# KiCad board Lotus58_Glow_125.kicad_pcb (continued)
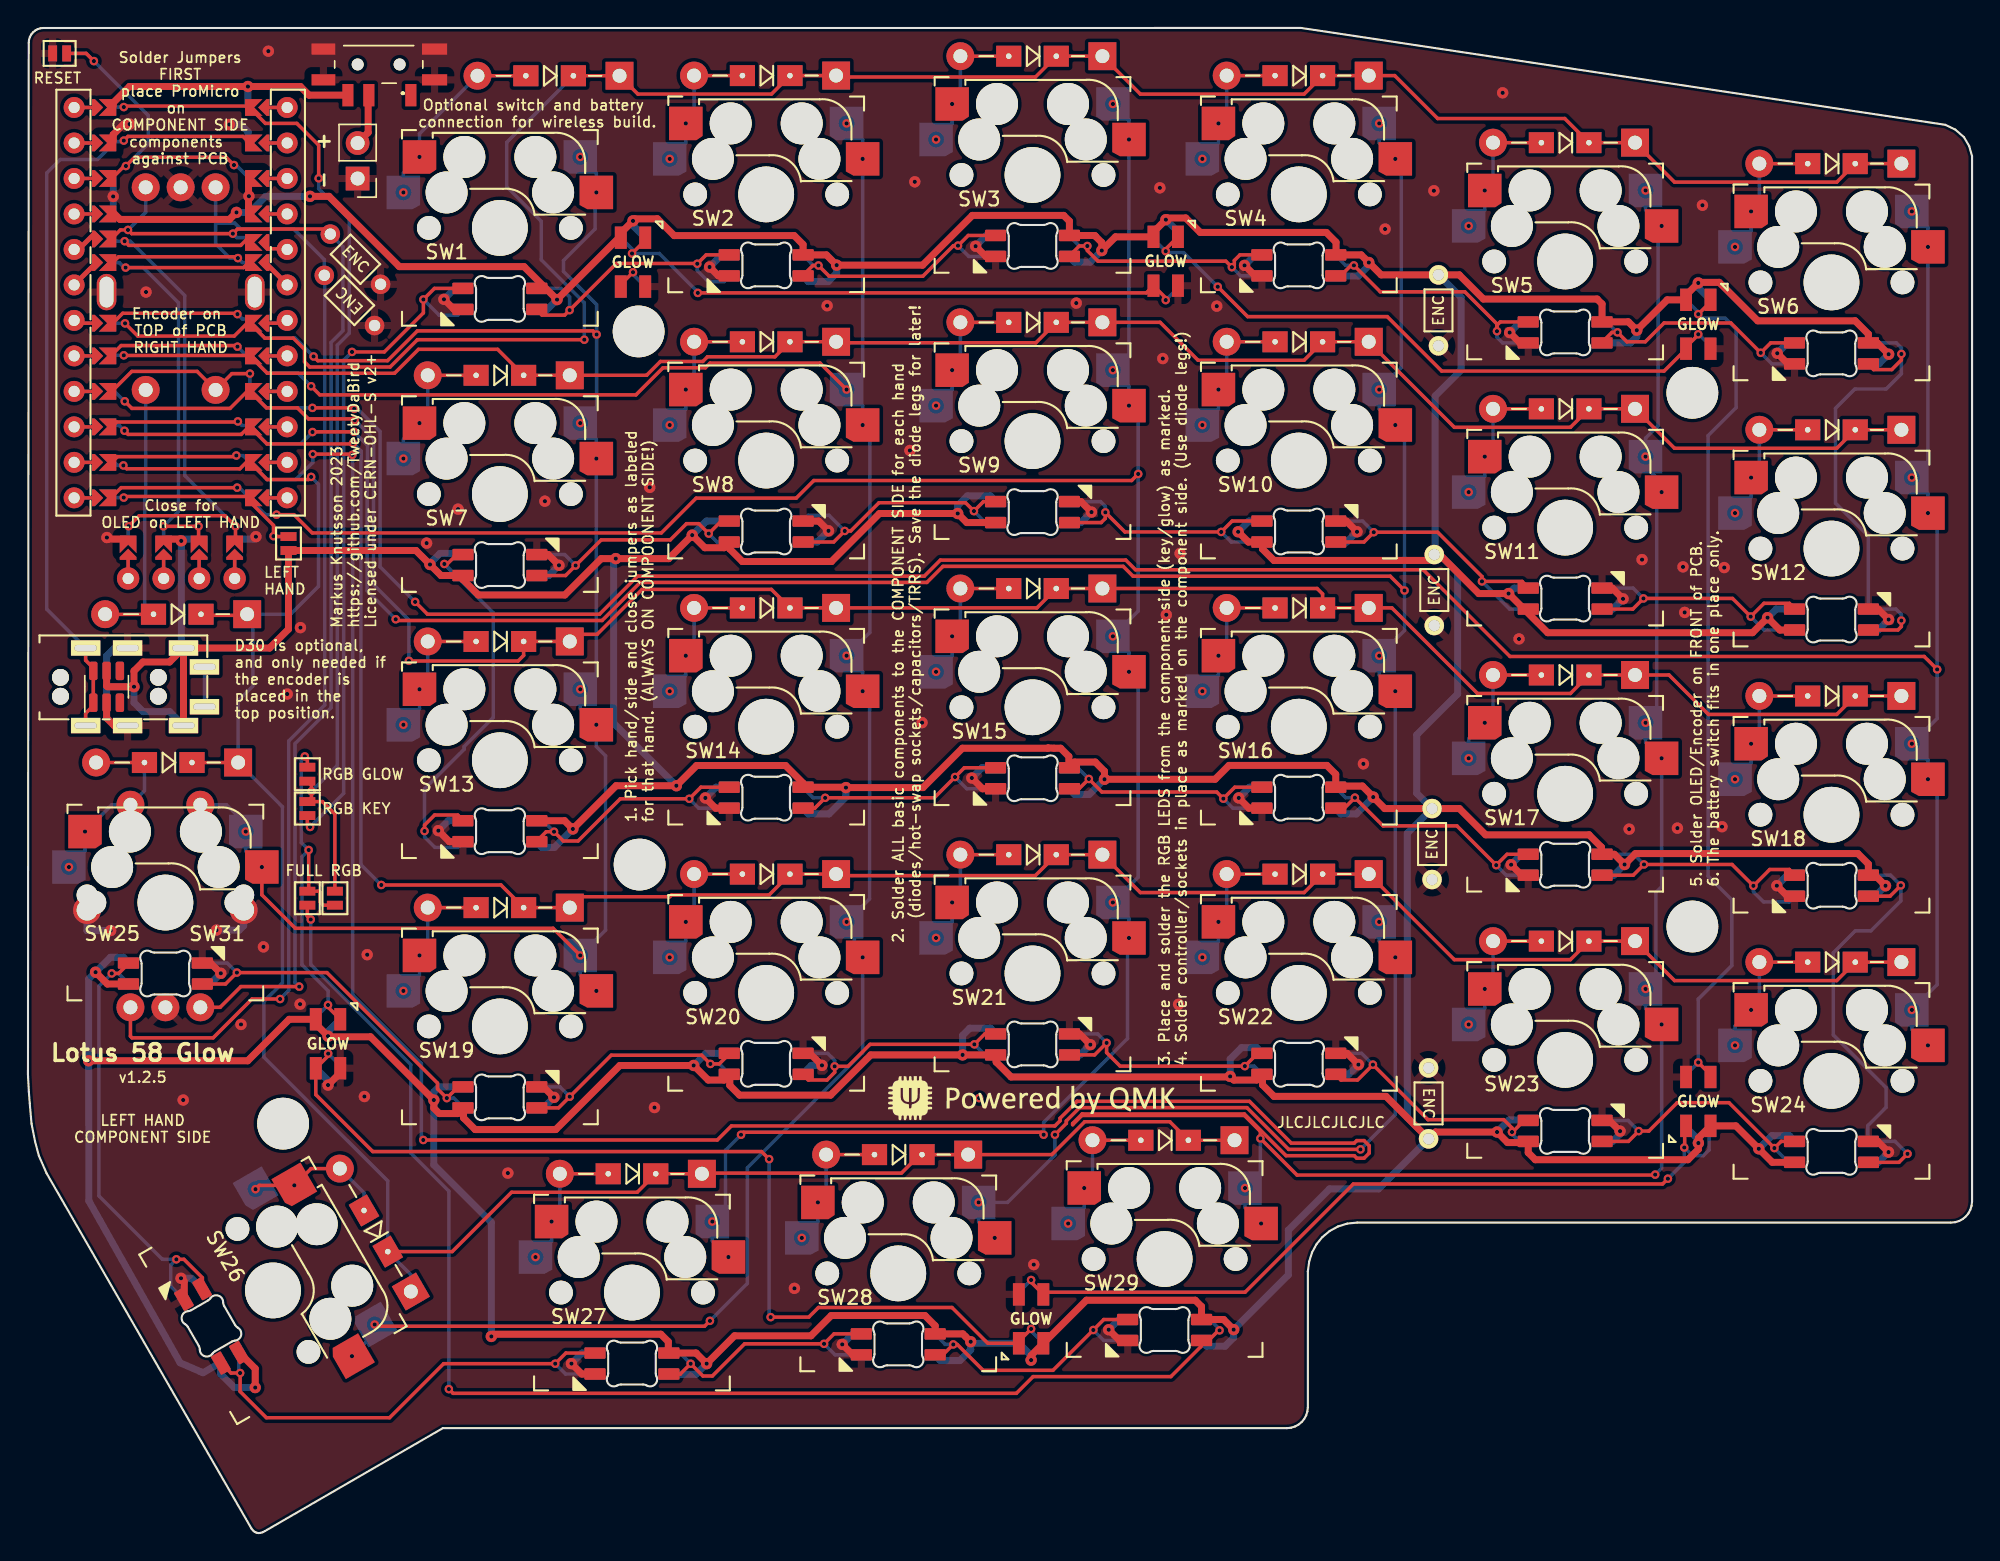
[diagram p0: board, top side]
## Routing (per net, layer and track width the routed paths; a pad name or vN(x,y) marks a point on that pad's centre or on a via; arc(x,y) is an arc through that point)
GND: length 125.9
  Top w0.5: v2(29.36,50.27) 30.15,49.48 31.16,49.48 ; v2(95.17,33.53) 94.36,34.33 93.51,34.33 ; 15.78,95.82 15.81,95.79 v2(15.81,95.68) ; 15.78,95.82 15.78,97.05 ; 15.78,95.82 15.78,94.51 ; 87.77,89.98 v2(87.02,90.73) ; 74.45,73.82 75.33,73.82 v2(76.08,73.07) ; 55.94,34.33 v2(56.8,33.47) ; 36.36,70.03 37.22,70.03 v2(37.98,69.27) ; 6.1,99.59 6.1,100.09 6.84,100.84 v2(7.28,100.84) ; v2(13.8,40.06) 13.06,40.8 12.43,40.8 ; v2(67.51,54.04) 68.28,53.27 69.26,53.27 ; v2(48.76,90.62) 49.39,89.98 50.2,89.98 ; v2(29.76,88.3) 30.48,87.58 31.16,87.58 ; v2(10.95,18.24) 11.18,18.01 11.18,16.7 ; P1.1 5.76,71.14 v2(5.65,71.25) ; 5.62,59.22 5.62,58.33 6.16,57.79 J1.R1 ; v2(114.1,66.87) 113.33,67.63 112.55,67.63 ; 131.61,28.03 132.32,28.03 v2(133.08,27.27) ; v2(125.1,46.33) 125.85,45.58 126.41,45.58 ; v2(57.26,71.73) 56.56,72.43 55.41,72.43 ; 69.26,91.37 68.52,91.37 v2(67.79,92.11) ; 22.34,32.94 v2(21.46,32.06) ; v2(113.89,28.77) 113.12,29.53 112.55,29.53 ; v2(105.98,85.92) 106.73,85.18 107.36,85.18 ; 50.2,51.88 49.19,51.88 v2(48.45,52.62) ; 78.7,13.78 78.07,13.78 v2(77.3,14.55) ; v2(95.07,71.67) 94.3,72.43 93.51,72.43 ; 88.3,51.88 87.34,51.88 v2(86.61,52.62) ; v2(125.13,84.44) 125.88,83.68 ; v2(38.87,12.13) 39.62,11.38 40.61,11.38 ; 106.84,47.08 v2(106.09,47.84) ; v2(75.99,34.96) 75.23,35.72 74.45,35.72 ; v2(133.1,65.38) 132.35,66.13 131.61,66.13 ; v2(37.62,31.18) 36.88,31.93 ; 59.65,12.76 58.99,12.76 v2(58.24,13.5)
  Bottom w0.5: v2(5.92,43.12) 4.23,43.12 4.23,43.13 4.23,43.83 ; v2(76.08,73.07) 75.33,72.32 74.45,72.32 ; v2(133.08,27.27) 132.35,26.53 131.61,26.53 ; 50.2,53.38 49.22,53.38 v2(48.45,52.62) ; v2(29.36,50.27) 30.06,50.98 31.16,50.98 ; 40.61,12.88 39.63,12.88 v2(38.87,12.13) ; v2(95.17,33.53) 94.47,32.83 93.51,32.83 ; 125.87,85.18 v2(125.13,84.44) ; v2(113.89,28.77) 113.89,28.56 113.36,28.03 112.55,28.03 ; v2(10.95,18.24) 11.69,18.24 12.48,17.45 ; 6.1,97.05 6.1,95.66 v2(6.09,95.66) 6.1,95.66 6.1,94.51 ; 50.2,91.48 49.62,91.48 v2(48.76,90.62) ; v2(133.1,65.38) 132.35,64.63 131.61,64.63 ; 93.51,70.93 94.34,70.93 v2(95.07,71.67) ; v2(125.1,46.33) 125.84,47.08 126.41,47.08 ; 106.84,48.58 v2(106.09,47.84) ; v2(14.41,100.81) 15.22,100.81 15.75,100.28 15.75,99.59 ; 15.43,43.83 15.43,43.47 15.12,43.15 v2(13.48,43.15) ; v2(29.76,88.3) 30.53,89.08 31.16,89.08 ; 55.41,32.83 56.04,33.47 v2(56.8,33.47) ; P1.1 16.13,71.14 v2(16.31,71.31) ; 69.26,54.77 68.24,54.77 v2(67.51,54.04) ; v2(21.46,32.06) 21.46,32.39 LED30.2 ; 36.36,68.53 37.25,68.53 v2(37.98,69.27) ; v2(77.3,14.55) 78.04,15.28 78.7,15.28 ; v2(105.98,85.92) 106.74,86.68 107.36,86.68 ; 36.88,30.43 v2(37.62,31.18) ; 88.3,53.38 87.38,53.38 v2(86.61,52.62) ; 69.26,92.87 68.55,92.87 v2(67.79,92.11) ; 59.65,14.26 59,14.26 v2(58.24,13.5) ; 112.55,66.13 113.36,66.13 v2(114.1,66.87) ; v2(57.26,71.73) 56.47,70.93 55.41,70.93 ; 87.77,91.48 v2(87.02,90.73) ; 74.45,34.22 75.26,34.22 v2(75.99,34.96) ; J1.R1 6.2,63.34 5.62,62.77 5.62,61.92 ; 12.43,39.3 13.03,39.3 v2(13.8,40.06)
  vias: v2(8.45,88.82) v2(11.11,30.99) v2(15.24,36.4) v2(16.84,41.95) v2(17.2,106.06) v2(18.54,60.05) v2(19.49,64.8) v2(19.47,37.85) v2(24.06,31.24) v2(24.27,41.39) v2(28.52,70.85) v2(30.77,73.28) v2(34.33,25.76) v2(36.98,73.85) v2(44.48,74.84) v2(44.81,30.45) v2(54.83,17.51) v2(57.17,87.84) v2(63.08,77.48) v2(63.44,96.71) v2(63.95,58) v2(71.95,19.21) v2(74.98,88.03) v2(80.97,96.28) v2(81.17,84.06) v2(81.42,65.72) v2(82.3,37.84) v2(82.42,70.11) v2(85.04,87.81) v2(95.52,55.05) v2(97.08,93.33) v2(100.57,96.07) v2(105.48,103.08) v2(106.66,63.99) v2(114.54,50.38) v2(115.45,69.67) v2(117.98,50.45) v2(118.39,69.15) v2(118.51,65.89) v2(119.77,95.03) v2(121.17,50.55) v2(121.33,69.1)
VCC: length 861.2
  Top w0.5: 69.26,72.32 67.16,72.32 v2(66.51,72.97) 60.92,72.97 57.48,69.54 51.1,69.54 50.2,70.43 50.2,70.93 49.8,70.52 48.42,70.52 v2(47.52,71.42) 45.84,69.74 v2(42.05,69.74) 41.01,69.74 38.4,67.14 32.21,67.14 31.12,68.24 LED7.1 29.55,68.53 v2(28.76,69.32) 27.76,70.32 JP3.2 18.64,64.69 17.29,63.34 J1.T ; 107.23,27.95 105.84,27.95 v2(105.08,28.7) 100.67,28.7 C6.1 97.14,31.25 89.13,31.25 88.3,32.08 88.3,32.83 87.89,32.42 86.25,32.42 v2(85.99,32.68) 85.95,32.64 70.33,32.64 69.26,33.71 69.26,34.22 v2(66.86,34.22) 60.29,34.22 57.41,31.34 50.9,31.34 50.2,32.04 50.2,32.83 49.8,32.42 48.66,32.42 v2(47.62,33.47) 42.34,33.47 37.75,28.88 31.99,28.88 31.16,29.71 31.16,30.43 30.75,30.02 29.42,30.02 29.03,30.42 v2(29.03,30.99) 24.5,35.52 21.51,35.52 v2(21.46,35.56) 20.59,36.44 ; 118.6,88.6 v2(119.48,89.47) 119.52,89.52 120.98,89.52 123.73,86.76 130.7,86.76 131.64,85.82 LED6.1 ; 7.23,39.3 5.68,39.3 v2(4.84,40.14) ; 36.36,50.98 38.39,50.98 v2(38.98,50.39) 42.07,53.49 v2(46.38,53.49) 47.83,54.94 54.18,54.94 55.45,53.68 LED14.1 58.48,53.38 v2(58.51,53.36) 64.02,53.36 66.84,56.17 72.95,56.17 72.98,56.2 73.39,56.17 73.87,56.17 74.45,55.59 74.45,54.77 74.86,55.18 76.34,55.18 77,54.53 v2(77,53.95) 84.92,53.95 85.91,54.94 92.91,54.94 93.55,54.31 LED16.1 93.63,53.46 95.45,53.46 96.23,52.69 v2(96.23,52.68) 97.05,51.85 C5.1 102.39,51.85 104.27,49.98 111.67,49.98 112.55,49.09 112.55,48.58 113.47,48.58 v2(114.2,47.85) 114.99,48.63 130.89,48.63 131.64,47.88 LED18.1 ; C4.1 100.17,69.61 89.12,69.61 88.3,70.43 88.3,70.93 87.3,70.93 v2(86.57,71.67) ; v2(33.14,14.07) 33.3,14.23 45.27,14.23 45.81,13.7 45.81,12.92 ; LED34.4 77.79,92.78 v2(76.81,91.79) 76.81,92.37 76.3,92.87 LED3.1 74.49,93.9 74.08,94.31 67.55,94.31 63.99,90.75 v2(57.85,90.75) 57.11,91.48 LED2.1 55.45,92.22 54.8,92.86 46.23,92.86 45.03,94.06 43.42,94.06 v2(43.28,93.92) 42.4,93.04 ; LED30.4 18.69,36.77 15.72,33.8 v2(4.34,33.8) ; 93.57,91.5 93.57,92.39 92.87,93.09 83.86,93.09 82.82,94.12 81.52,94.12 v2(81.39,94) 80.51,93.12 ; v2(86.25,14.56) 85.52,15.28 LED29.1 83.95,16.21 83.5,16.66 75.71,16.66 LED31.4 71.76,12.71 v2(71.76,12.38) ; v2(14.92,94.52) 14.42,94.02 6.59,94.02 6.1,94.51 ; 126.41,64.63 125.32,64.63 v2(124.43,65.52) 123.36,64.44 108.71,64.44 v2(105.91,67.24) 103.78,67.24 100.98,70.03 ; v2(67.44,13.69) 66.87,14.26 LED28.1 64.89,14.84 64.16,15.57 57.46,15.57 56.01,14.12 50.54,14.12 v2(48.55,12.12) 47.79,12.88 LED27.1 ; v2(133.1,84.37) 132.29,85.18 131.61,85.18 ; v2(20.17,95.67) 21.54,95.67 26.56,90.64 35.48,90.64 v2(37.84,88.28) 42.27,92.71 ; LED33.4 117.26,88.27 v2(115.08,86.09) 114.48,86.69 112.6,86.69 LED5.1 112.6,87.97 112.24,88.32 104.11,88.32 102.38,90.05 C3.1 96.79,90.05 v2(95.91,90.94) 95.36,91.48 LED4.1 ; 15.08,12.95 16.26,11.77 v2(16.26,10.41) ; 126.41,26.53 124.77,26.53 v2(123.8,27.5) 122.17,29.14 LED32.4 119.48,28.27 v2(119.48,27.91) 119.48,27.47 118.74,26.72 107.82,26.72 107.32,27.23 LED23.1 ; J1.T J1.T ; J1.T 10.13,62.34 8.23,62.34 7.59,61.7 v2(7.59,60.57) 5.69,60.57 5.62,60.64 5.62,61.92 ; v2(10.97,71.01) 10.84,71.14 P1.2 ; 132.12,47.08 v2(132.87,46.33)
  Bottom w0.5: 74.45,91.37 74.86,90.96 75.98,90.96 v2(76.81,91.79) ; v2(124.43,65.52) 125.05,66.13 126.41,66.13 ; v2(14.92,94.52) 14.92,94.51 15.75,94.51 ; v2(115.08,86.09) 115.08,85.64 114.62,85.18 112.55,85.18 ; v2(28.76,69.32) 28.76,69.4 29.47,70.12 31.07,70.12 ; 107.36,67.63 106.3,67.63 v2(105.91,67.24) ; 5.62,59.22 5.62,60.5 5.7,60.57 v2(7.59,60.57) 7.59,59.44 8.23,58.79 10.13,58.79 J1.T ; 126.41,28.03 125.99,28.44 124.75,28.44 v2(123.8,27.5) ; v2(58.51,53.36) 58.51,52.68 57.3,51.47 55.82,51.47 55.41,51.88 ; v2(20.17,95.67) 17.01,95.67 15.88,94.55 15.85,94.55 ; 118.51,29.14 119.48,28.16 v2(119.48,27.91) ; P1.2 11.09,71.14 v2(10.97,71.01) 10.98,71 10.98,63.5 ; v2(48.55,12.12) 47.79,11.36 45.82,11.36 ; v2(38.98,50.39) 37.65,49.07 36.77,49.07 36.36,49.48 ; v2(119.48,89.47) 119.48,89.14 LED33.4 ; v2(46.38,53.49) 41.89,57.98 41.89,69.59 v2(42.05,69.74) ; 55.41,89.98 55.82,89.57 57.25,89.57 57.85,90.17 v2(57.85,90.75) ; v2(16.26,10.41) 14.77,10.41 13.78,11.4 13.78,12.2 12.53,11.47 12.31,11.56 10.89,12.18 5.15,22.37 4.36,23.77 v2(4.34,33.8) 4.34,39.65 v2(4.84,40.14) 5.9,41.21 6.82,41.21 7.23,40.8 ; v2(85.99,32.68) 85.99,33.93 86.81,34.74 87.89,34.74 88.3,34.33 ; v2(43.28,93.92) 43.28,93.59 LED35.4 ; LED30.4 21.46,35.89 v2(21.46,35.56) ; 93.51,89.98 95.16,89.98 95.91,90.73 v2(95.91,90.94) ; v2(96.23,52.68) 95.03,51.47 93.92,51.47 93.51,51.88 ; v2(37.84,88.28) 37.14,87.58 36.36,87.58 ; v2(77,53.95) 75.91,52.86 74.86,52.86 74.45,53.27 ; v2(71.76,12.38) 71.76,12.71 LED31.4 67.54,13.58 v2(67.44,13.69) 67.44,13.12 66.66,12.35 65.26,12.35 64.85,12.76 ; 131.61,83.68 132.4,83.68 v2(133.1,84.37) ; 50.2,34.33 48.49,34.33 v2(47.62,33.47) ; 83.91,13.78 84.32,13.37 85.63,13.37 86.25,13.99 v2(86.25,14.56) 90.16,18.47 90.16,21.68 93.11,24.63 96.61,24.63 C6.1 98.67,29.73 98.67,50.08 C5.1 99.34,52.95 99.34,57.13 102.27,60.05 102.27,68.73 100.66,70.34 100.66,81.38 102.52,83.24 102.52,88.43 C3.1 ; 107.28,29.57 105.95,29.57 v2(105.08,28.7) ; v2(86.57,71.67) 87.33,72.43 88.3,72.43 ; v2(66.86,34.22) 66.86,35.62 67.37,36.13 68.85,36.13 69.26,35.72 ; v2(132.87,46.33) 132.12,45.58 ; v2(33.14,14.07) 33.14,22.25 29.03,26.36 v2(29.03,30.99) 29.03,31.57 29.4,31.93 31.16,31.93 ; 82.26,93.14 v2(81.39,94) ; 112.55,47.08 113.44,47.08 v2(114.2,47.85) ; 50.2,72.43 48.53,72.43 v2(47.52,71.42) ; v2(66.51,72.97) 66.51,73.55 67.19,74.23 68.85,74.23 69.26,73.82
(no net):
  vias: v1(68.04,31.13)
/Batt: length 4.1
  Top w0.5: 23.58,99.49 24.34,100.24 24.34,103.26
Alt: length 14
  Top w0.25: D25.2 4.88,55.15
  Bottom w0.25: D25.2 8.33,53.13 SW31.S2 6,52.13 v1(4.08,50.21) 4.08,48.82 v1(2.93,47.67)
Battery: length 19.2
  Top w0.5: 6.1,102.13 6.1,102.37 7.26,103.53 v2(15.73,103.53) 19.48,103.53 20.11,102.91 S1.C1
  Bottom w0.5: 15.75,102.13 15.73,102.15 v2(15.73,103.53)
col0: length 214.5
  Top w0.25: v1(136.56,61.81) 135.64,62.74 106.01,62.74 99.8,68.95 79.22,68.95 78.53,69.64 65.26,69.64 64.11,68.49 43.61,68.49 40.88,65.76 28.58,65.76 v1(27.69,66.65) ; 6.1,81.81 7.43,83.14 12.1,83.14 SW30.S2 14.59,82.98 v1(15.88,82.98) ; v1(20.34,80.53) 23.27,80.53 v1(23.34,80.46)
  Bottom w0.25: v1(15.88,82.98) 15.88,81.91 ; v1(134.75,94.59) 135.91,93.44 v1(135.91,92.05) 135.91,76.69 v1(134.75,75.54) 135.91,74.39 v1(135.91,73) 136.56,72.34 v1(136.56,61.81) 136.56,58.3 v1(134.75,56.49) 135.91,55.34 v1(135.91,53.95) 136.56,53.29 136.56,39.25 v1(134.75,37.44) 134.75,36.05 v1(135.91,34.9) ; v1(27.69,66.65) 25.19,69.16 25.19,78.84 23.57,80.46 v1(23.34,80.46) ; v1(20.34,80.53) 17.06,80.53 15.78,81.81
col1: length 286.9
  Top w0.25: v1(116.39,25.65) 116.36,25.62 90.78,25.62 v1(88.16,28.24) 88.16,28.75 87.01,29.89 75.39,29.89 74.73,29.23 74.73,29.31 75.41,30 87,30 89.99,27.01 94.87,27.01 95.05,26.83 95.57,26.83 95.94,27.2 95.94,27.72 95.57,28.09 95.05,28.09 94.87,27.91 90.37,27.91 87.38,30.9 75.04,30.9 73.83,29.69 73.83,29.51 73.45,29.14 50.32,29.14 49.31,28.13 v1(28.28,28.13) ; v1(14.91,77.12) 14.83,77.04 6.41,77.04 6.1,76.73 ; v1(23.21,77.17) 23.16,77.22 v1(20.38,77.22)
  Bottom w0.25: 116.65,75.37 116.86,75.16 v1(116.86,74.5) 116.51,74.15 116.51,58.79 ; 116.65,75.37 116.24,75.77 ; 116.65,75.37 115.7,76.31 ; v1(115.7,77.04) 115.7,78.36 116.61,79.26 116.61,93.3 v1(116.86,93.55) 115.7,94.7 v1(115.7,96.09) ; v1(14.91,77.12) 15.39,77.12 17.11,75.4 19.16,75.4 20.38,76.63 v1(20.38,77.22) ; v1(115.7,38.94) 115.7,37.55 v1(116.86,36.4) 116.86,26.11 v1(116.39,25.65) ; v1(28.28,28.13) 28.14,28.27 28.14,33.61 23.22,38.52 23.22,77.16 v1(23.21,77.17) ; v1(88.16,28.24) 88.16,25.79 v1(87.05,24.69) 87.05,23.3 v1(88.2,22.15) ; v1(115.7,57.99) 115.7,56.6 v1(116.86,55.45) 116.86,46.26 116.45,45.85 116.45,39.68
col2: length 221.5
  Top w0.25: v1(98.47,67.46) 97.45,68.48 79.05,68.48 78.34,69.19 65.45,69.19 64.3,68.04 43.79,68.04 41.07,65.31 26.39,65.31 v1(26.31,65.4) ; v1(20.36,78.8) 20.37,78.82 v1(23.32,78.82) ; v1(95.31,27.46) 90.18,27.46 87.19,30.45 75.22,30.45 74.28,29.5 74.28,29.32 v1(73.46,28.51) ; v1(15.02,79.56) 14.98,79.52 6.35,79.52 6.1,79.27
  Bottom w0.25: v1(69.15,21.13) 68,22.28 v1(68,23.67) 70.07,23.67 73.46,27.06 v1(73.46,28.51) ; v1(20.36,78.8) 19.5,77.94 17.11,77.94 15.94,79.11 15.94,79.27 ; v1(15.02,79.56) 15.31,79.27 15.75,79.27 ; v1(95.31,27.46) 97.8,29.95 v1(97.8,41.2) 96.66,42.35 v1(96.66,43.74) 97.8,44.89 v1(97.8,60.25) 96.66,61.4 v1(96.66,62.79) 98.47,64.6 v1(98.47,67.46) 98.47,78.64 v1(97.8,79.3) 96.66,80.45 v1(96.66,81.84) 98.23,83.42 98.23,97.93 v1(97.8,98.35) 96.66,99.5 v1(96.66,100.89) ; v1(26.31,65.4) 24.26,67.44 24.26,76.71 24.29,76.73 24.29,77.85 v1(23.32,78.82)
col3: length 187.9
  Top w0.25: v1(79.42,75.8) 78.95,75.33 56.22,75.33 54.95,74.07 47.8,74.07 45.31,71.58 20.34,71.58 19.03,72.89 v1(17.78,72.89) ; v1(72.65,28.51) 72.47,28.69 51.18,28.69 v1(51.01,28.51) ; v1(14.97,74.82) 6.67,74.82 6.1,74.25
  Bottom w0.25: v1(51.01,28.51) 49.89,27.4 49.89,23.23 ; v1(72.65,28.51) 72.65,29.39 78.65,35.39 78.65,42.49 v1(78.76,42.59) 78.76,43.98 v1(77.61,45.13) 79.42,46.94 79.42,60.98 v1(78.76,61.64) 78.76,63.03 v1(77.61,64.18) 79.42,65.99 v1(79.42,75.8) 79.42,80.03 v1(78.76,80.69) 78.76,82.08 v1(77.61,83.23) 78.76,84.38 v1(78.76,99.74) 78.76,101.13 v1(77.61,102.28) ; v1(48.95,22.29) 48.95,20.9 v1(50.11,19.75) ; 15.78,74.1 16.99,72.89 v1(17.78,72.89) ; 15.75,74.19 15.12,74.82 v1(14.97,74.82)
col4: length 176
  Top w0.25: v1(48.78,15.19) 48.39,14.8 24.92,14.8 v1(24.8,14.93) ; v1(20.26,82.08) 20.88,81.46 43.48,81.46 45.43,83.4 48.46,83.4 48.79,83.74 56.66,83.74 v1(58.55,81.84) ; 6.1,84.42 6.67,84.99 14.91,84.99 v1(14.98,84.91)
  Bottom w0.25: 15.75,84.35 15.55,84.35 v1(14.98,84.91) ; v1(20.26,82.08) 19.3,83.04 17.09,83.04 15.78,84.35 ; 59.11,43.18 59.11,41.79 v1(59.7,41.2) 59.7,34.39 51.46,26.14 51.46,17.87 v1(48.78,15.19) ; 24.8,14.29 v1(23.18,12.66) ; v1(58.55,43.74) 60.2,45.39 60.2,59.76 v1(59.7,60.25) 59.7,61.64 v1(58.55,62.79) 60.22,64.46 60.22,78.79 v1(59.7,79.3) 59.7,80.69 v1(58.55,81.84) 59.7,82.99 v1(59.7,98.35) 59.7,99.74 v1(58.55,100.89)
col5: length 136.1
  Top w0.25: v1(16.73,47.67) 16.73,45.68 19.12,43.28 37.56,43.28 v1(39.51,41.34) ; v1(20.43,84.21) 20.73,83.91 25.72,83.91 27.85,86.04 40.42,86.04 v1(40.67,85.78) ; v1(14.98,87.24) 14.92,87.3 6.78,87.3 U1.18
  Bottom w0.25: v1(20.43,84.21) 19.11,85.53 16.94,85.53 15.78,86.69 ; v1(39.51,98.49) 40.66,97.34 v1(40.66,95.95) 40.56,95.86 40.56,93.33 38.31,91.07 38.31,90.3 40.67,87.93 v1(40.67,85.78) 40.67,80.61 v1(39.51,79.44) 40.66,78.29 v1(40.66,76.9) 40.66,61.54 v1(39.51,60.39) 39.51,59 v1(40.66,57.85) 40.66,56.29 41.31,55.63 41.31,43.15 v1(39.51,41.34) 39.51,39.95 v1(40.66,38.8) ; v1(16.73,47.67) 15.58,48.82 v1(15.58,50.21) ; 15.58,50.75 14.2,52.13 SW31.S1 ; v1(14.98,87.24) 15.34,86.89 15.75,86.89
DATA: length 62.3
  Top w0.25: 4.67,61.92 4.13,62.47 J1.R2 ; v1(6.86,99.66) 7.16,99.96 15.38,99.96 15.75,99.59 ; 4.67,59.22 4.13,58.67 J1.R2 ; U3.1 U3.6
  Bottom w0.25: 6.07,99.59 6.79,99.59 v1(6.86,99.66) ; 6.07,99.4 4.98,98.31 2.31,98.31 1.34,97.34 1.34,66.13 J1.R2 4.13,62.47 4.67,61.92 4.67,59.22 4.13,58.67 J1.R2
EncA: length 93.2
  Top w0.25: U1.19 6.48,91.35 14.92,91.35 v1(15.02,91.25) ; v1(18.04,38.22) 16.03,38.22 13.25,35.44 7.45,35.44 7.33,35.56 SW31.A
  Bottom w0.25: v1(18.04,38.22) 18.65,38.84 18.65,56.69 21.23,59.26 21.23,89.99 ; 13.42,93.76 14.79,93.76 15.21,93.33 19.01,93.33 21.2,91.14 C2.2 ; 13.42,93.76 13.42,92.28 14.45,91.25 v1(15.02,91.25) 15.34,90.93 15.78,90.93 ; 13.42,93.76 SW30.A
EncB: length 84
  Top w0.25: SW31.B 13.74,37.63 15.23,39.11 19.4,39.11 v1(19.4,39.11) ; 21.25,93.35 21.23,93.33 14.98,93.33 v1(14.66,93) 7.42,93 v1(7.16,93.27) 6.61,93.27 6.07,92.72
  Bottom w0.25: 15.78,92.72 14.94,92.72 v1(14.66,93) ; v1(19.4,39.11) 19.1,39.41 19.1,56.5 21.68,59.08 21.68,85.21 22.53,86.06 22.53,92.07 C1.1 ; v1(7.16,93.27) 8.42,94.54 SW30.B
Hand: length 15.1
  Top w0.25: 15.75,74.19 6.93,74.19 v1(6.85,74.11) ; JP3.1 17.59,71.32 v1(17.56,71.35) 17.56,72.12 15.75,73.94
  Bottom w0.25: JP3.1 17.59,71.32 v1(17.56,71.35) ; v1(6.85,74.11) 6.18,74.11
LED: length 73.7
  Top w0.25: v1(20.8,96.96) 20.8,99.33 19.23,100.89 16.99,100.89 15.75,102.13 6.92,102.13 v1(6.86,102.06) ; JP7.2 21.95,51.46 21.06,52.35 JP6.1 20.28,52.65 v1(20.28,53.09) 20.28,53.52 JP5.2
  Bottom w0.25: 6.17,102.06 v1(6.86,102.06) ; v1(20.28,53.09) 22.13,54.94 22.13,85.03 22.98,85.88 22.98,94.03 20.8,96.21 v1(20.8,96.96)
RESET: length 25
  Top w0.25: 6.1,97.05 6.89,97.84 v1(7.01,97.84) 7.64,98.47 14.17,98.47 v1(14.73,97.91) ; v1(4.72,105.35) 4.17,105.9 JP2.1
  Bottom w0.25: JP2.1 4.17,105.9 v1(4.72,105.35) 8.61,101.46 8.61,99.44 v1(7.01,97.84) ; v1(14.73,97.91) 14.89,97.91 15.75,97.05
RGB_GLOW: length 28.2
  Top w0.25: v1(19.81,55.59) 19.98,55.41 JP5.1 ; 20.08,46.03 v1(20.08,48.89) ; v1(21.46,37.8) 21.46,37.64 LED30.3 ; JP15.2 20.81,45.94 20.91,45.84 20.91,45.17 21.13,44.94 JP7.1
  Bottom w0.25: 20.59,36.92 v1(21.46,37.8) 21.47,37.81 21.47,38.81 19.6,40.68 19.6,48.41 v1(20.08,48.89) 19.55,49.42 19.55,55.33 v1(19.81,55.59)
RGB_KEY: length 50.1
  Top w0.25: v1(20.18,50.54) 19.98,50.73 JP6.2 ; 31.16,89.08 29.08,89.08 v1(28.29,88.29) 28.29,87.33 25.49,84.54 v1(23.18,84.54)
  Bottom w0.25: v1(20.18,50.54) 22.58,52.94 22.58,83.94 v1(23.18,84.54) ; v1(28.29,88.29) 29.41,87.17 30.75,87.17 31.16,87.58
RGB_LINK: length 96.7
  Top w0.25: 84.45,13.78 85.17,14.51 v1(85.23,14.51) ; JP15.1 19.98,44.16 v1(20.23,43.91) ; v1(30.11,10.3) 30.41,10 70.7,10 71.9,11.2 81.75,11.2 83.91,13.35 83.91,13.78
  Bottom w0.25: v1(85.23,14.51) 85.23,14.59 84.55,15.28 ; v1(20.23,43.91) 20.23,40.69 27.38,33.54 27.38,27.2 30.11,24.47 v1(30.11,10.3)
row0: length 162.3
  Top w0.25: D6.1 129.38,96.69 117.78,96.69 D5.1 111.66,99.52 ; D2.1 53.18,102.99 43.63,102.99 D1.1 39.02,104.31 ; 92.61,104.32 D4.1 97.76,104.32 100.83,101.24 109.92,101.24 D5.1 ; D6.1 130.71,98.02 ; D2.1 54.51,104.32 ; v1(39.8,85.41) 27.86,85.41 25.91,83.46 20.15,83.46 19.79,83.83 19.79,84.72 18.98,85.52 16.95,85.52 15.78,86.69 14.76,85.67 7.86,85.67 v1(6.95,86.58) ; D3.1 72.07,104.21 57.91,104.21 ; 73.56,105.71 D3.1 79.57,102.99 91.28,102.99 D4.1
  Bottom w0.25: D1.1 34.25,99.53 34.25,96.36 36.71,93.89 36.71,91.13 39.8,88.05 v1(39.8,85.41) ; U1.7 6.94,86.59 v1(6.95,86.58)
row1: length 137.5
  Top w0.25: D7.1 33.59,84.72 27.94,84.72 26.22,83.01 17.12,83.01 15.78,84.35 ; 111.66,80.47 D11.1 117.78,77.64 129.38,77.64 D12.1 ; D11.1 110.33,79.14 102.03,79.14 D10.1 92.61,85.27 ; 58.15,85.19 72.1,85.19 D9.1 ; D8.1 53.43,84.19 48.61,84.19 48.27,83.85 45.24,83.85 44.25,82.87 D7.1 35.46,82.87 ; D10.1 91.28,83.94 83.7,83.94 80.98,86.66 D9.1 73.56,86.66 ; D8.1 54.51,85.27 ; v1(6.86,84.29) 6.86,84.28 15.68,84.28 ; D12.1 130.71,78.97
  Bottom w0.25: 6.16,84.29 v1(6.86,84.29)
row2: length 154.4
  Top w0.25: D15.1 72.17,66.22 D14.1 54.51,66.22 ; 73.56,67.61 D15.1 92.21,67.61 92.61,67.21 D16.1 ; D14.1 53.18,67.54 43.93,67.54 40.71,64.32 38.76,64.32 ; D18.1 130.71,59.92 ; 111.66,61.42 D17.1 117.38,61.42 120.21,58.59 129.38,58.59 D18.1 ; D13.1 35.46,63.82 ; v1(27.25,62.43) 27.26,62.42 35.06,62.42 35.45,62.81 D13.1 ; v1(23.37,79.66) 23.28,79.74 20.06,79.74 19.28,80.53 17.06,80.53 15.78,81.81 14.46,80.49 7.43,80.49 v1(6.92,81) ; 92.61,66.22 D16.1 97.56,66.22 103.69,60.09 110.33,60.09 D17.1
  Bottom w0.25: v1(6.92,81) 6.91,81 6.1,81.81 ; v1(23.37,79.66) 24.74,78.29 24.74,76.54 24.71,76.52 24.71,67.89 27.25,65.35 v1(27.25,62.43)
row3: length 166.8
  Top w0.25: D19.1 35.46,44.77 ; 15.78,79.16 15.26,78.63 7.17,78.63 v1(6.91,78.89) ; 39.53,45.54 45.91,45.54 46.03,45.67 53.01,45.67 D20.1 ; 58.11,47.05 72.05,47.05 D21.1 ; 73.56,48.56 D21.1 79.57,45.84 91.28,45.84 D22.1 ; v1(23.25,78) 23.2,77.95 17.1,77.95 15.78,79.27 ; 111.66,42.37 D23.1 117.78,39.54 129.38,39.54 D24.1 ; D23.1 110.33,41.04 102.03,41.04 D22.1 92.61,47.17 ; D24.1 130.71,40.87 ; D20.1 54.51,47.17 ; v1(25.27,46.39) 33.83,46.39 D19.1
  Bottom w0.25: 6.1,79.27 6.53,79.27 v1(6.91,78.89) ; v1(23.25,78) 23.45,77.8 23.47,77.8 23.84,77.44 23.84,76.91 23.81,76.89 23.81,47.84 v1(25.27,46.39)
row4: length 155.4
  Top w0.25: D27.1 44.91,25.72 ; D28.1 73.24,27.09 75.59,29.44 81.68,29.44 D29.1 86.3,28.11 ; 48.25,25.76 62.48,25.76 63.8,27.09 D28.1 67.25,27.09 ; 15.78,76.73 17.11,75.4 20.07,75.4 v1(20.26,75.59) ; 16.05,65.69 12.75,65.69 ; D25.1 15.03,55.15 ; v1(6.83,76.41) 7.07,76.17 15.16,76.17 15.72,76.73 ; D27.1 43.58,24.39 34.59,24.39 30.35,20.14 D26.1
  Bottom w0.25: 16.09,65.36 16.09,60.62 15.03,59.57 D25.1 18.2,51.98 18.2,39.37 16.87,38.04 16.87,34.06 25.74,25.2 D26.1 27.39,18.49 D26.1 ; 6.1,76.73 6.42,76.41 v1(6.83,76.41) ; v1(20.26,75.59) 20.78,75.07 20.78,67.76 18.78,65.76 15.68,65.76
SCL: length 35.6
  Top w0.25: 12.25,71.18 12.2,71.22 v1(12.2,72.06) v1(9.7,72.06) ; 15.78,90.93 15.42,90.57 v1(6.98,90.57)
  Bottom w0.25: P1.3 9.7,72.05 v1(9.7,72.06) 10.77,73.13 10.77,88.05 8.25,90.57 v1(6.98,90.57) 6.89,90.57 6.53,90.93 U1.6
SDA: length 44.2
  Top w0.25: 14.79,71.18 14.84,71.24 v1(14.84,72.06) 14.09,72.81 7.95,72.81 v1(7.2,72.06) ; v1(6.92,92.46) 7.22,92.16 15.22,92.16 15.78,92.72
  Bottom w0.25: P1.4 7.17,72.02 v1(7.2,72.06) ; 6.07,92.72 6.33,92.46 v1(6.92,92.46) 7.33,92.46 11.21,88.57 11.21,75.69 v1(14.84,72.06)
Net-(D1-Pad2): length 14
  Top w0.25: D1.2 32.16,104.3
  Bottom w0.25: D1.2 28.01,100.16 v1(28.01,98.49) 26.86,97.34 v1(26.86,95.95)
Net-(D2-Pad2): length 10.1
  Top w0.25: D2.2 47.65,104.32
  Bottom w0.25: D2.2 47.64,101.48 v1(47.06,100.89) 47.06,99.5 v1(45.91,98.35)
Net-(D3-Pad2): length 10.1
  Top w0.25: D3.2 66.7,105.7
  Bottom w0.25: v1(64.95,99.74) 66.11,100.89 v1(66.11,102.28) 66.7,102.87 D3.2
Net-(D4-Pad2): length 10.1
  Top w0.25: D4.2 85.75,104.31
  Bottom w0.25: v1(84.01,98.35) 85.16,99.5 v1(85.16,100.89) 85.74,101.48 D4.2
Net-(D5-Pad2): length 10.1
  Top w0.25: D5.2 104.8,99.51
  Bottom w0.25: v1(103.05,93.55) 104.2,94.7 v1(104.2,96.09) 104.8,96.68 D5.2
Net-(D6-Pad2): length 10.1
  Top w0.25: D6.2 123.85,98.01
  Bottom w0.25: D6.2 123.85,95.18 v1(123.26,94.59) 123.26,93.2 v1(122.11,92.05)
Net-(D7-Pad2): length 10.1
  Top w0.25: D7.2 28.6,82.86
  Bottom w0.25: v1(26.86,76.9) 26.86,78.29 v1(28.01,79.44) 28.59,80.03 D7.2
Net-(D8-Pad2): length 10.1
  Top w0.25: D8.2 47.65,85.26
  Bottom w0.25: v1(45.91,79.3) 47.06,80.45 v1(47.06,81.84) 47.64,82.43 D8.2
Net-(D9-Pad2): length 10.1
  Top w0.25: D9.2 66.7,86.65
  Bottom w0.25: v1(64.95,80.69) 66.11,81.84 v1(66.11,83.23) 66.7,83.82 D9.2
Net-(D10-Pad2): length 10.1
  Top w0.25: D10.2 85.75,85.26
  Bottom w0.25: v1(84.01,79.3) 85.16,80.45 v1(85.16,81.84) 85.74,82.43 D10.2
Net-(D11-Pad2): length 10.1
  Top w0.25: D11.2 104.8,80.46
  Bottom w0.25: D11.2 104.8,77.63 v1(104.2,77.04) 104.2,75.65 v1(103.05,74.5)
Net-(D12-Pad2): length 10.1
  Top w0.25: D12.2 123.85,78.96
  Bottom w0.25: v1(122.11,73) 123.26,74.15 v1(123.26,75.54) 123.85,76.13 D12.2
Net-(D13-Pad2): length 10.1
  Top w0.25: D13.2 28.6,63.81
  Bottom w0.25: D13.2 28.59,60.98 v1(28.01,60.39) 28.01,59 v1(26.86,57.85)
Net-(D14-Pad2): length 10.1
  Top w0.25: D14.2 47.65,66.21
  Bottom w0.25: D14.2 47.64,63.38 v1(47.06,62.79) 47.06,61.4 v1(45.91,60.25)
Net-(D15-Pad2): length 10.1
  Top w0.25: D15.2 66.7,67.6
  Bottom w0.25: D15.2 66.7,64.77 v1(66.11,64.18) 66.11,62.79 v1(64.95,61.64)
Net-(D16-Pad2): length 10.1
  Top w0.25: D16.2 85.75,66.21
  Bottom w0.25: D16.2 85.74,63.38 v1(85.16,62.79) 85.16,61.4 v1(84.01,60.25)
Net-(D17-Pad2): length 10.1
  Top w0.25: D17.2 104.8,61.41
  Bottom w0.25: v1(103.05,55.45) 103.05,56.84 v1(104.2,57.99) 104.8,58.58 D17.2
Net-(D18-Pad2): length 10.1
  Top w0.25: D18.2 123.85,59.91
  Bottom w0.25: v1(122.11,53.95) 123.26,55.1 v1(123.26,56.49) 123.85,57.08 D18.2
Net-(D19-Pad2): length 10.1
  Top w0.25: D19.2 28.6,44.76
  Bottom w0.25: D19.2 28.59,41.93 v1(28.01,41.34) 28.01,39.95 v1(26.86,38.8)
Net-(D20-Pad2): length 10.1
  Top w0.25: D20.2 51.1,47.17
  Bottom w0.25: D20.2 47.64,44.33 v1(47.06,43.74) 47.06,42.35 v1(45.91,41.2)
Net-(D21-Pad2): length 10.1
  Top w0.25: D21.2 66.7,48.55
  Bottom w0.25: D21.2 66.7,45.72 v1(66.11,45.13) 66.11,43.74 v1(64.95,42.59)
Net-(D22-Pad2): length 10.1
  Top w0.25: D22.2 85.75,47.16
  Bottom w0.25: D22.2 85.74,44.33 v1(85.16,43.74) 85.16,42.35 v1(84.01,41.2)
Net-(D23-Pad2): length 10.1
  Top w0.25: D23.2 104.8,42.36
  Bottom w0.25: D23.2 104.8,39.53 v1(104.2,38.94) 104.2,37.55 v1(103.05,36.4)
Net-(D24-Pad2): length 10.1
  Top w0.25: D24.2 123.85,40.86
  Bottom w0.25: D24.2 123.85,38.03 v1(123.26,37.44) 122.11,36.29 v1(122.11,34.9)
Net-(D26-Pad2): length 10.4
  Top w0.25: D26.2 20.25,26.09 v1(19.05,24.89) 16.55,24.89 v1(16.28,24.61)
  Bottom w0.25: D26.2 24.04,24.36 D26.2
Net-(D27-Pad2): length 10.1
  Top w0.25: D27.2 38.05,25.71
  Bottom w0.25: v1(36.31,19.75) 37.45,20.9 v1(37.45,22.29) 38.05,22.88 D27.2
Net-(D28-Pad2): length 10.1
  Top w0.25: D28.2 60.55,27.09
  Bottom w0.25: D28.2 57.09,24.26 v1(56.5,23.67) 56.5,22.28 v1(55.35,21.13)
Net-(D29-Pad2): length 10.1
  Top w0.25: D29.2 79.6,28.12
  Bottom w0.25: D29.2 76.14,25.28 v1(75.55,24.69) 75.55,23.3 v1(74.41,22.15)
Net-(D30-Pad2): length 20.2
  Top w0.25: 5.53,65.75 9.38,65.75
  Bottom w0.25: SW30.S1 8.42,74.17 8.35,74.1 8.35,66.39 D30.2
Net-(LED1-Pad2): length 22.7
  Top w0.25: 50.2,91.48 48.51,91.48 v1(47.87,90.85) 47.85,90.87 42.09,90.87 v1(38.74,87.53) 38.39,87.17 36.77,87.17 36.36,87.58
  Bottom w0.25: 36.36,89.08 38.13,89.08 38.74,88.47 v1(38.74,87.53) ; 50.2,89.98 49.8,89.57 48.66,89.57 47.87,90.36 v1(47.87,90.85)
Net-(LED2-Pad2): length 20.2
  Top w0.25: 69.26,92.87 67.26,92.87 v1(66.52,92.14) 66.2,92.14 64.01,89.95 57.32,89.95 v1(56.55,90.72) 56.14,90.72 55.41,89.98
  Bottom w0.25: v1(66.52,92.14) 67.3,91.37 69.26,91.37 ; v1(56.55,90.72) 56.16,90.72 55.41,91.48
Net-(LED3-Pad2): length 19.6
  Top w0.25: 88.3,91.48 86.69,91.48 86.29,91.08 86.29,90.78 v1(86.11,90.6) 85.69,91.03 76.54,91.03 75.78,91.79 v1(75.78,92.12) 75.2,92.12 74.45,91.37
  Bottom w0.25: v1(75.78,92.12) 75.21,92.12 74.45,92.87 ; 88.3,89.98 86.74,89.98 v1(86.11,90.6)
Net-(LED4-Pad2): length 21.1
  Top w0.25: 93.89,89.98 94.64,90.73 v1(94.84,90.73) 96.73,88.84 102.78,88.84 105.08,86.54 v1(105.08,86.02) 105.08,86.45 105.31,86.68 107.36,86.68
  Bottom w0.25: 107.36,85.18 105.48,85.18 105.08,85.59 v1(105.08,86.02) ; v1(94.84,90.73) 94.26,90.73 93.51,91.48
Net-(LED5-Pad2): length 20
  Top w0.25: 112.55,85.18 113.31,85.94 v1(113.7,85.94) 114.37,85.26 115.69,85.26 117.03,86.61 121.81,86.61 v1(123.95,84.47) 124.66,85.18 126.41,85.18
  Bottom w0.25: 112.93,86.68 113.68,85.94 v1(113.7,85.94) ; 126.41,83.68 124.74,83.68 v1(123.95,84.47)
Net-(LED7-Pad4): length 20.3
  Top w0.25: 36.36,68.53 38.45,68.53 v1(39.17,69.25) 41.01,71.08 45.94,71.08 47.1,72.25 47.98,72.25 v1(48.69,71.54) 49.59,72.43
  Bottom w0.25: 50.2,70.93 49.29,70.93 v1(48.69,71.54) ; 36.36,70.03 38.39,70.03 v1(39.17,69.25)
Net-(LED8-Pad4): length 21.1
  Top w0.25: 69.26,73.82 68.35,73.82 v1(67.67,73.14) 67.07,73.74 60.87,73.74 58.85,71.72 v1(58.42,71.72) 57.64,70.93 55.41,70.93
  Bottom w0.25: v1(67.67,73.14) 68.48,72.32 69.26,72.32 ; v1(58.42,71.72) 57.3,72.84 55.82,72.84 55.41,72.43
Net-(LED10-Pad2): length 21.7
  Top w0.25: 74.45,72.32 76.77,72.32 77.07,72.62 v1(77.07,73.05) 78.47,71.65 v1(85.36,71.65) 86.14,72.43 88.3,72.43
  Bottom w0.25: v1(85.36,71.65) 86.07,70.93 88.3,70.93 ; v1(77.07,73.05) 77.07,73.49 76.73,73.82 74.45,73.82
Net-(LED10-Pad4): length 23.3
  Top w0.25: 93.51,70.93 95.57,70.93 v1(96.27,71.63) 100.83,71.63 104.01,68.46 v1(104.01,68.11) 106.88,68.11 107.36,67.63
  Bottom w0.25: v1(96.27,71.63) 95.46,72.43 93.51,72.43 ; v1(104.01,68.11) 105.98,66.13 107.36,66.13
Net-(LED11-Pad4): length 22.1
  Top w0.25: 126.41,66.13 125.99,66.54 124.18,66.54 v1(123.23,65.59) 121.93,66.89 v1(115.55,66.89) 114.8,66.13 112.55,66.13
  Bottom w0.25: v1(115.55,66.89) 114.81,67.63 112.55,67.63 ; 126.41,64.63 124.19,64.63 v1(123.23,65.59)
Net-(LED12-Pad4): length 34.7
  Top w0.25: v1(134,65.31) 134,64.88 133.76,64.63 131.61,64.63 ; 131.61,83.68 132.01,83.27 133.32,83.27 134.01,83.96 v1(134.01,84.39)
  Bottom w0.25: 131.61,85.18 133.64,85.18 134.01,84.82 v1(134.01,84.39) 134.01,82.98 132.92,81.88 130.68,81.88 129.3,80.5 129.3,73.71 131.64,71.36 LED12.4 ; 131.61,66.13 133.61,66.13 134,65.74 v1(134,65.31)
Net-(LED13-Pad2): length 20.3
  Top w0.25: 36.36,49.48 37.07,50.2 v1(37.63,50.2) 38.3,49.53 39.35,49.53 42.37,52.55 v1(47.31,52.55) 48.14,53.38 50.2,53.38
  Bottom w0.25: 36.84,50.98 v1(37.63,50.2) ; v1(47.31,52.55) 47.98,51.88 50.2,51.88
Net-(LED13-Pad4): length 32.3
  Top w0.25: 30.67,70.03 29.99,69.36 v1(29.78,69.36) ; v1(28.37,50.24) 28.37,50.67 29.09,51.39 30.75,51.39 31.16,50.98
  Bottom w0.25: 30.61,68.53 v1(29.78,69.36) 33.28,65.87 33.28,58.37 31.2,56.28 31.2,56.09 28.37,53.27 v1(28.37,50.24) 28.37,49.81 29.11,49.07 30.75,49.07 31.16,49.48
Net-(LED14-Pad2): length 20.3
  Top w0.25: 55.41,51.88 56.29,51.88 v1(57.02,52.62) 64.83,52.62 v1(66.32,54.11) 66.98,54.77 69.26,54.77
  Bottom w0.25: 69.26,53.27 67.16,53.27 v1(66.32,54.11) ; 55.41,53.38 56.16,52.62 v1(57.02,52.62)
Net-(LED15-Pad2): length 19.3
  Top w0.25: 74.45,53.27 75.19,53.27 v1(75.89,53.97) 76.82,53.04 85.03,53.04 v1(85.51,52.56) 86.33,53.38 88.3,53.38
  Bottom w0.25: v1(85.51,52.56) 86.19,51.88 88.3,51.88 ; v1(75.89,53.97) 75.09,54.77
Net-(LED16-Pad2): length 20.2
  Top w0.25: 107.36,48.58 105.8,48.58 v1(105.02,47.8) 102.22,50.61 96.94,50.61 v1(94.92,52.63) 94.17,51.88
  Bottom w0.25: 107.36,47.08 105.75,47.08 v1(105.02,47.8) ; 93.51,53.38 94.25,52.63 v1(94.92,52.63)
Net-(LED17-Pad2): length 22.7
  Top w0.25: 112.55,47.08 114.83,47.08 v1(115.6,47.85) 121.89,47.85 v1(123.42,46.32) 124.59,47.49 125.99,47.49 126.41,47.08
  Bottom w0.25: v1(123.42,46.32) 123.42,45.89 124.14,45.17 125.99,45.17 126.41,45.58 ; 112.55,48.58 114.87,48.58 v1(115.6,47.85)
Net-(LED18-Pad2): length 34.6
  Top w0.25: LED18.2 133.19,45.58 v1(133.97,46.35) ; 131.61,26.53 133.83,26.53 v1(134.44,27.14)
  Bottom w0.25: LED18.2 133.24,47.08 v1(133.97,46.35) 133.97,45.24 131.82,43.1 130.71,43.1 129.13,41.53 129.13,35.65 132.91,31.88 132.91,30.47 131.61,29.16 131.61,28.03 133.55,28.03 v1(134.44,27.14)
Net-(LED19-Pad2): length 27.2
  Top w0.25: 12.43,39.3 14.13,39.3 v1(14.95,40.11) 21.39,40.11 29.3,32.2 29.3,31.8 v1(29.96,31.13) 30.76,31.93
  Bottom w0.25: v1(14.95,40.11) 14.94,40.11 14.25,40.8 12.43,40.8 ; v1(29.96,31.13) 30.46,31.13 31.16,30.43
Net-(LED19-Pad4): length 20.4
  Top w0.25: 36.36,30.43 37.95,30.43 v1(38.76,31.23) 41.72,34.2 48.2,34.2 v1(48.82,33.58) 49.45,33.58 50.2,34.33
  Bottom w0.25: v1(48.82,33.58) 49.46,33.58 50.2,32.83 ; v1(38.76,31.23) 38.05,31.93 36.36,31.93
Net-(LED20-Pad4): length 20.4
  Top w0.25: 55.41,32.83 55.82,32.42 57.15,32.42 57.7,32.97 v1(57.7,33.4) 58.66,33.4 60.23,34.98 v1(67.7,34.98) 68.44,35.72 69.26,35.72
  Bottom w0.25: 55.41,34.33 57.2,34.33 57.7,33.84 v1(57.7,33.4) ; v1(67.7,34.98) 68.45,34.22 69.26,34.22
Net-(LED21-Pad4): length 19.8
  Top w0.25: 74.45,34.22 76.3,34.22 v1(77.16,35.08) 77.16,34.39 78.13,33.42 v1(87.04,33.42) 87.96,34.33
  Bottom w0.25: v1(77.16,35.08) 76.51,35.72 74.45,35.72 ; 88.3,32.83 87.72,33.42 v1(87.04,33.42)
Net-(LED22-Pad4): length 20.6
  Top w0.25: 107.02,29.53 106.2,28.7 v1(106.15,28.7) 106.15,29 105.56,29.59 100.14,29.59 v1(96.2,33.52) 95.11,32.42 93.92,32.42 93.51,32.83
  Bottom w0.25: v1(106.15,28.7) 106.15,28.57 106.68,28.03 ; 93.51,34.33 95.39,34.33 v1(96.2,33.52)
Net-(LED23-Pad4): length 21
  Top w0.25: 126.41,28.03 125.4,28.03 v1(124.92,27.55) 121.67,30.8 117.97,30.8 115.94,28.77 v1(115.22,28.77) 114.48,28.03 112.55,28.03
  Bottom w0.25: 112.55,29.53 114.45,29.53 v1(115.22,28.77) ; 125.94,26.53 v1(124.92,27.55)
Net-(LED25-Pad2): length 33.5
  Top w0.25: 7.23,40.8 6.48,40.05 v1(5.99,40.05) ; 12.48,17.45 12.48,18.27 11.16,19.59 v1(10.62,19.59)
  Bottom w0.25: 11.18,16.7 10.22,17.67 10.22,19.19 v1(10.62,19.59) 9.62,19.59 5.08,24.13 5.08,39.13 v1(5.99,40.05) 6.47,40.05 7.23,39.3
